# KiCad board beat_sequencer.kicad_pcb (continued)
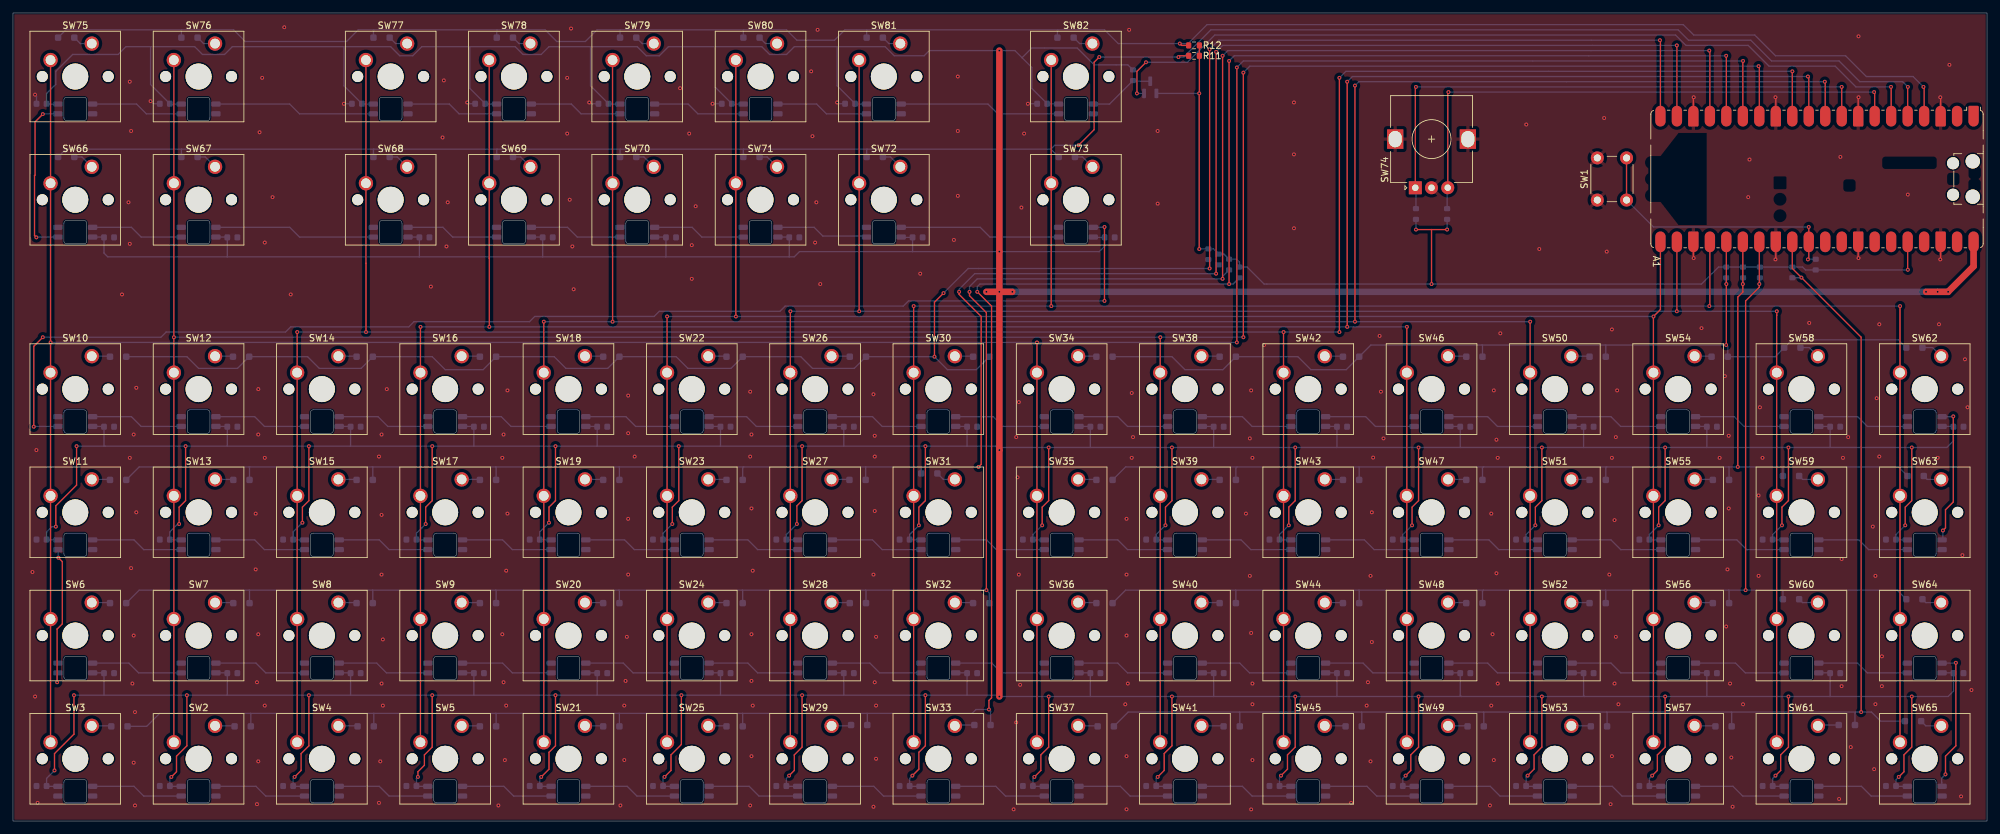
[diagram p0: board, top side]
## Routing (per net, layer and track width the routed paths; a pad name or vN(x,y) marks a point on that pad's centre or on a via; arc(x,y) is an arc through that point) (continued)
R5: length 150.2
  Top w0.2: v1(264,73.4) 264.03,73.43 v1(264.03,82.8) A1.25 264,89.28
  Bottom w0.2: 226.4,73.4 226.45,73.35 D132.2 ; 226.4,73.4 209.25,73.4 D131.2 205.45,69.6 200,69.6 198,71.6 D130.2 186.45,69.6 180.6,69.6 178.6,71.6 D129.2 ; 226.4,73.4 245.4,73.4 ; 245.4,73.4 v1(264,73.4) 264.25,73.15 D134.2 271.55,71.6 D135.2 274.15,74.2 290.55,74.2 D136.2 ; 245.4,73.4 245.45,73.35 D133.2 ; v1(264.03,82.8) 264,82.83 R6.2
R6: length 171.6
  Top w0.2: v1(265.8,54.6) 265.8,80.8 266.57,81.57 v1(266.57,82.8) A1.26
  Bottom w0.2: 226.6,54.6 207.4,54.6 ; 226.6,54.6 226.45,54.45 D140.2 ; 226.6,54.6 245.6,54.6 ; 207.4,54.6 188.6,54.6 ; 207.4,54.6 207.45,54.55 D139.2 ; 188.6,54.6 171.45,54.6 D137.2 ; 188.6,54.6 188.45,54.45 D138.2 ; 264.4,54.6 264.45,54.55 D142.2 ; 264.4,54.6 272.8,54.6 ; 264.4,54.6 245.6,54.6 ; 245.6,54.6 245.45,54.45 D141.2 ; 272.8,54.6 290.55,54.6 D144.2 ; 272.8,54.6 272.75,54.55 D143.2 ; R7.2 266.6,82.83 v1(266.57,82.8)
R7: length 190.9
  Top w0.2: A1.27 v1(269.11,82.8) 269.11,82.31 267,80.2 v1(267,35.6)
  Bottom w0.2: 188.4,35.6 188.45,35.55 D146.2 ; 188.4,35.6 171.45,35.6 D145.2 ; 188.4,35.6 207.4,35.6 ; 245.4,35.6 245.45,35.55 D149.2 ; 245.4,35.6 226.6,35.6 ; 245.4,35.6 264.4,35.6 ; 272.6,35.6 290.35,35.6 D152.2 ; 272.6,35.6 264.4,35.6 ; 272.6,35.6 272.75,35.45 D151.2 ; v1(269.11,82.8) 269.2,82.89 R8.2 ; 207.4,35.6 207.45,35.55 D147.2 ; 207.4,35.6 226.6,35.6 ; 264.4,35.6 264.45,35.55 D150.2 ; 226.6,35.6 226.45,35.45 D148.2
R8: length 214.9
  Top w0.2: v1(284.8,16.8) 284.8,74.6 v1(275.6,83.8) 274.19,85.21 A1.29
  Bottom w0.2: 284,16.8 v1(284.8,16.8) 286.4,16.8 287.8,15.4 D160.2 ; 284,16.8 264.8,16.8 ; 284,16.8 283.85,16.65 D159.2 ; 264.8,16.8 245.6,16.8 ; 264.8,16.8 264.85,16.75 D158.2 ; D157.2 245.65,16.75 245.6,16.8 ; 189,16.8 207.8,16.8 ; 189,16.8 171.85,16.8 D153.2 ; 189,16.8 189.05,16.75 D154.2 ; 207.8,16.8 207.85,16.75 D155.2 ; 207.8,16.8 226.6,16.8 ; 245.6,16.8 226.6,16.8 ; 226.6,16.8 226.65,16.75 D156.2 ; v1(275.6,83.8) 275.58,83.77 R9.2
R9: length 318.1
  Top w0.2: v1(164.2,104.2) 166.6,106.6 166.6,117 v1(167.4,117.8) ; A1.5 291.97,113.17 v1(292,113.2) ; R11.2 179.8,118 v1(179.6,117.8)
  Bottom w0.2: 112.6,103.6 112.55,103.55 D126.2 ; 112.6,103.6 131.6,103.6 ; 112.6,103.6 93.6,103.6 ; 159.95,103.6 131.6,103.6 ; 159.95,103.6 D128.2 ; 159.95,103.6 160.55,104.2 v1(164.2,104.2) ; 131.6,103.6 131.55,103.55 D127.2 ; v1(292,113.2) 291.2,114 284.6,114 281.4,117.2 271,117.2 267.8,120.4 258.2,120.4 256.6,122 184.6,122 180.4,117.8 v1(179.6,117.8) v1(167.4,117.8) ; 26,103.6 8.15,103.6 D121.2 ; 26,103.6 55.6,103.6 ; 26,103.6 25.95,103.55 D122.2 ; 55.6,103.6 55.55,103.55 D123.2 ; 55.6,103.6 74.6,103.6 ; 93.6,103.6 93.55,103.55 D125.2 ; 93.6,103.6 74.6,103.6 ; 74.6,103.6 74.55,103.55 D124.2
R10: length 312.9
  Top w0.2: v1(294.4,113.2) 294.51,113.09 A1.4 ; R12.2 180.08,119.6 v1(179.8,119.88)
  Bottom w0.2: D114.2 25.95,121.95 26,122 ; v1(294.4,113.2) 292.8,114.8 285.6,114.8 282.4,118 271.6,118 268.4,121.2 259,121.2 257.4,122.8 184,122.8 181.08,119.88 v1(179.8,119.88) 170.32,119.88 168.2,122 161,122 ; 131.6,122 128.2,122 126.6,120.4 120.8,120.4 119.2,122 112.6,122 ; 131.6,122 161,122 ; 131.6,122 131.55,121.95 D119.2 ; 93.6,122 93.55,121.95 D117.2 ; 93.6,122 112.6,122 ; 93.6,122 90,122 88.2,120.2 83.8,120.2 82,122 74.6,122 ; D113.2 8.15,122 26,122 ; 112.6,122 112.55,121.95 D118.2 ; 26,122 34,122 35.8,120.2 51.4,120.2 53.2,122 55.6,122 ; 161,122 160.95,121.95 D120.2 ; 55.6,122 55.55,121.95 D115.2 ; 55.6,122 74.6,122 ; 74.6,122 74.55,121.95 D116.2
RENC_A: length 89
  Top w0.2: v1(216.2,113.2) 216.1,113.1 SW74.A ; v1(281.8,113.2) 281.81,113.19 A1.9
  Bottom w0.2: v1(281.8,113.2) v1(216.2,113.2) ; 216.2,94.42 216.2,97.55 SW74.A
RENC_B: length 87.4
  Top w0.2: v1(221.2,112.4) 221.1,112.3 SW74.B ; A1.7 286.89,112.31 v1(286.8,112.4)
  Bottom w0.2: SW74.B 221,97.55 221,94.42 ; v1(286.8,112.4) v1(221.2,112.4)
RST: length 42.6
  Top w0.2: SW1.2 SW1.2 ; v1(276.6,86.6) 276.73,86.73 A1.30 v1(276.73,91.6)
  Bottom w0.2: SW1.2 252.8,91.6 v1(276.73,91.6) ; R1.2 276.62,86.62 v1(276.6,86.6)
Net-(D1-DIN): length 10.4
  Bottom w0.2: 166.42,110.55 168.98,110.55 R10.2 172.7,114.07 Q1.3
Net-(D1-DOUT): length 25
  Bottom w0.2: 161.17,109.05 151.75,109.05 150.25,110.55 136.82,110.55
Net-(D2-DOUT): length 14.4
  Bottom w0.2: 131.57,109.05 125.35,109.05 123.84,110.55 117.82,110.55
Net-(D3-DOUT): length 14.4
  Bottom w0.2: 112.57,109.05 105.55,109.05 104.04,110.55 98.82,110.55
Net-(D4-DOUT): length 14.4
  Bottom w0.2: 93.57,109.05 87.55,109.05 86.04,110.55 79.82,110.55
Net-(D5-DOUT): length 14.4
  Bottom w0.2: 74.57,109.05 68.75,109.05 67.25,110.55 60.82,110.55
Net-(D6-DOUT): length 25
  Bottom w0.2: 55.57,109.05 44.15,109.05 42.65,110.55 31.23,110.55
Net-(D7-DOUT): length 14.4
  Bottom w0.2: 12.23,110.55 19.05,110.55 20.55,109.05 25.98,109.05
Net-(D8-DOUT): length 25.4
  Top w0.2: v1(4.6,109) 3.4,107.8 3.4,99.6 3.32,99.52 3.32,90.28 v1(3.6,90)
  Bottom w0.2: 6.98,90.04 3.65,90.04 v1(3.6,90) ; 6.98,109.05 4.65,109.05 v1(4.6,109)
Net-(D10-DIN): length 14.4
  Bottom w0.2: 12.23,91.55 18.25,91.55 19.76,90.04 25.98,90.04
Net-(D10-DOUT): length 25
  Bottom w0.2: 55.57,90.04 44.16,90.04 42.65,91.55 31.23,91.55
Net-(D11-DOUT): length 14.4
  Bottom w0.2: 74.57,90.04 67.75,90.04 66.25,91.55 60.82,91.55
Net-(D12-DOUT): length 14.4
  Bottom w0.2: 93.57,90.04 86.95,90.04 85.45,91.55 79.82,91.55
Net-(D13-DOUT): length 14.4
  Bottom w0.2: 112.57,90.04 106.16,90.04 104.65,91.55 98.82,91.55
Net-(D14-DOUT): length 14.4
  Bottom w0.2: 117.82,91.55 123.45,91.55 124.8,90.2 131.42,90.2 131.57,90.04
Net-(D15-DOUT): length 25
  Bottom w0.2: 136.82,91.55 149.05,91.55 150.56,90.04 161.17,90.04
Net-(D16-DOUT): length 197.3
  Top w0.2: v1(168.2,91.6) v1(168.2,80.2) ; v1(4.6,74.6) 3.2,73.2 v1(3.2,60.8)
  Bottom w0.2: 6.98,60.84 3.25,60.84 v1(3.2,60.8) ; v1(4.6,74.6) 22.8,74.6 23.6,75.4 42,75.4 42.8,76.2 61,76.2 61.8,77 79.6,77 80.4,77.8 98.8,77.8 99.6,78.6 118.2,78.6 119,79.4 137.2,79.4 138,80.2 v1(168.2,80.2) ; 166.42,91.55 168.15,91.55 v1(168.2,91.6)
Net-(D17-DOUT): length 14.4
  Bottom w0.2: 25.98,60.84 19.76,60.84 18.25,62.35 12.23,62.35
Net-(D18-DOUT): length 14.4
  Bottom w0.2: 31.23,62.35 37.25,62.35 38.76,60.84 44.98,60.84
Net-(D19-DOUT): length 14.4
  Bottom w0.2: 50.23,62.35 56.25,62.35 57.76,60.84 63.98,60.84
Net-(D20-DOUT): length 14.4
  Bottom w0.2: 69.22,62.35 75.25,62.35 76.75,60.84 82.97,60.84
Net-(D21-DOUT): length 14.4
  Bottom w0.2: 88.22,62.35 94.45,62.35 95.95,60.84 101.97,60.84
Net-(D22-DOUT): length 14.4
  Bottom w0.2: 120.97,60.84 114.56,60.84 113.05,62.35 107.22,62.35
Net-(D23-DOUT): length 14.4
  Bottom w0.2: 139.97,60.84 133.95,60.84 132.45,62.35 126.22,62.35
Net-(D24-DOUT): length 14.4
  Bottom w0.2: 158.97,60.84 152.56,60.84 151.05,62.35 145.22,62.35
Net-(D25-DOUT): length 14.4
  Bottom w0.2: 177.97,60.84 171.75,60.84 170.25,62.35 164.22,62.35
Net-(D26-DOUT): length 14.4
  Bottom w0.2: 196.97,60.84 190.95,60.84 189.45,62.35 183.22,62.35
Net-(D27-DOUT): length 14.4
  Bottom w0.2: 215.97,60.84 209.95,60.84 208.45,62.35 202.22,62.35
Net-(D28-DOUT): length 14.4
  Bottom w0.2: 221.22,62.35 227.25,62.35 228.75,60.84 234.97,60.84
Net-(D29-DOUT): length 14.4
  Bottom w0.2: 240.22,62.35 246.25,62.35 247.75,60.84 253.97,60.84
Net-(D30-DOUT): length 14.4
  Bottom w0.2: 259.23,62.35 265.25,62.35 266.75,60.84 272.98,60.84
Net-(D31-DOUT): length 14.4
  Bottom w0.2: 291.98,60.84 285.75,60.84 284.25,62.35 278.23,62.35
Net-(D32-DOUT): length 21.6
  Top w0.2: v1(297.4,44.8) 297.8,45.2 297.8,48 299,49.2 v1(299,62.4)
  Bottom w0.2: 297.23,43.35 297.4,43.53 v1(297.4,44.8) ; 297.23,62.35 298.95,62.35 v1(299,62.4)
Net-(D33-DOUT): length 14.4
  Bottom w0.2: 291.98,41.85 285.95,41.85 284.45,43.35 278.23,43.35
Net-(D34-DIN): length 14.4
  Bottom w0.2: 278.23,24.35 284.25,24.35 285.75,22.84 291.98,22.84
Net-(D34-DOUT): length 22.2
  Top w0.2: v1(299.4,24.4) 299.4,11.6 297.8,10 v1(297.8,7.2)
  Bottom w0.2: v1(299.4,24.4) 299.35,24.35 297.23,24.35 ; 297.23,5.35 297.23,5.97 297.2,6 297.2,6.6 v1(297.8,7.2)
Net-(D35-DOUT): length 14.4
  Bottom w0.2: 259.23,43.35 265.65,43.35 267.15,41.85 272.98,41.85
Net-(D36-DIN): length 14.4
  Bottom w0.2: 272.98,22.84 266.96,22.84 265.45,24.35 259.23,24.35
Net-(D37-DOUT): length 14.4
  Bottom w0.2: 253.97,41.85 247.75,41.85 246.24,43.35 240.22,43.35
Net-(D38-DIN): length 14.4
  Bottom w0.2: 253.97,22.84 247.75,22.84 246.25,24.35 240.22,24.35
Net-(D39-DOUT): length 14.4
  Bottom w0.2: 234.97,41.85 228.95,41.85 227.45,43.35 221.22,43.35
Net-(D40-DIN): length 14.4
  Bottom w0.2: 221.22,24.35 227.25,24.35 228.75,22.84 234.97,22.84
Net-(D41-DOUT): length 14.4
  Bottom w0.2: 202.22,43.35 208.25,43.35 209.75,41.85 215.97,41.85
Net-(D42-DIN): length 14.4
  Bottom w0.2: 215.97,22.84 209.56,22.84 208.05,24.35 202.22,24.35
Net-(D43-DOUT): length 14.4
  Bottom w0.2: 196.97,41.85 190.75,41.85 189.25,43.35 183.22,43.35
Net-(D44-DIN): length 14.4
  Bottom w0.2: 183.22,24.35 189.05,24.35 190.56,22.84 196.97,22.84
Net-(D45-DOUT): length 14.4
  Bottom w0.2: 177.97,41.85 171.75,41.85 170.25,43.35 164.22,43.35
Net-(D46-DIN): length 14.4
  Bottom w0.2: 177.97,22.84 171.75,22.84 170.25,24.35 164.22,24.35
Net-(D47-DOUT): length 14.4
  Bottom w0.2: 145.22,43.35 150.04,43.35 151.55,41.85 158.97,41.85
Net-(D48-DIN): length 14.4
  Bottom w0.2: 158.97,22.84 152.35,22.84 150.85,24.35 145.22,24.35
Net-(D49-DOUT): length 14.4
  Bottom w0.2: 126.22,43.35 132.44,43.35 133.95,41.85 139.97,41.85
Net-(D50-DIN): length 14.4
  Bottom w0.2: 126.22,24.35 132.05,24.35 133.56,22.84 139.97,22.84
Net-(D51-DOUT): length 14.4
  Bottom w0.2: 107.22,43.35 113.25,43.35 114.75,41.85 120.97,41.85
Net-(D52-DIN): length 14.4
  Bottom w0.2: 120.97,22.84 114.75,22.84 113.25,24.35 107.22,24.35
Net-(D53-DOUT): length 14.4
  Bottom w0.2: 88.22,43.35 94.25,43.35 95.75,41.85 101.97,41.85
Net-(D54-DIN): length 14.4
  Bottom w0.2: 88.22,24.35 94.05,24.35 95.56,22.84 101.97,22.84
Net-(D55-DOUT): length 14.4
  Bottom w0.2: 82.97,41.85 76.95,41.85 75.44,43.35 69.22,43.35
Net-(D56-DIN): length 14.4
  Bottom w0.2: 69.22,24.35 75.45,24.35 76.96,22.84 82.97,22.84
Net-(D57-DOUT): length 14.4
  Bottom w0.2: 50.23,43.35 56.45,43.35 57.95,41.85 63.98,41.85
Net-(D58-DIN): length 14.4
  Bottom w0.2: 50.23,24.35 56.05,24.35 57.55,22.84 63.98,22.84
Net-(D59-DOUT): length 14.4
  Bottom w0.2: 44.98,41.85 38.75,41.85 37.24,43.35 31.23,43.35
Net-(D60-DIN): length 14.4
  Bottom w0.2: 31.23,24.35 37.45,24.35 38.96,22.84 44.98,22.84
Net-(D61-DOUT): length 14.4
  Bottom w0.2: 25.98,41.85 20.15,41.85 18.65,43.35 12.23,43.35
Net-(D62-DIN): length 14.4
  Bottom w0.2: 25.98,22.84 19.36,22.84 17.85,24.35 12.23,24.35
Net-(D63-DOUT): length 22.6
  Top w0.2: v1(7,40.6) 7.6,40 7.6,30.4 6.8,29.6 v1(6.8,21.4)
  Bottom w0.2: 6.98,41.85 6.98,40.62 v1(7,40.6) ; v1(6.8,21.4) 6.8,22.67 6.98,22.84
Net-(D65-DIN): length 14.4
  Bottom w0.2: 25.98,3.85 20.15,3.85 18.65,5.35 12.23,5.35
Net-(D66-DIN): length 14.4
  Bottom w0.2: 44.98,3.85 38.95,3.85 37.45,5.35 31.23,5.35
Net-(D67-DIN): length 14.4
  Bottom w0.2: 63.98,3.85 57.95,3.85 56.45,5.35 50.23,5.35
Net-(D68-DIN): length 14.4
  Bottom w0.2: 69.22,5.35 75.65,5.35 77.15,3.85 82.97,3.85
Net-(D69-DIN): length 14.4
  Bottom w0.2: 101.97,3.85 96.15,3.85 94.64,5.35 88.22,5.35
Net-(D70-DIN): length 14.4
  Bottom w0.2: 120.97,3.85 114.95,3.85 113.44,5.35 107.22,5.35
Net-(D71-DIN): length 14.4
  Bottom w0.2: 126.22,5.35 132.64,5.35 134.15,3.85 139.97,3.85
Net-(D72-DIN): length 14.4
  Bottom w0.2: 158.97,3.85 152.95,3.85 151.44,5.35 145.22,5.35
Net-(D73-DIN): length 14.4
  Bottom w0.2: 164.22,5.35 170.64,5.35 172.15,3.85 177.97,3.85
Net-(D74-DIN): length 14.4
  Bottom w0.2: 183.22,5.35 189.44,5.35 190.95,3.85 196.97,3.85
Net-(D75-DIN): length 14.4
  Bottom w0.2: 202.22,5.35 208.64,5.35 210.15,3.85 215.97,3.85
Net-(D76-DIN): length 14.4
  Bottom w0.2: 234.97,3.85 229.15,3.85 227.65,5.35 221.22,5.35
Net-(D77-DIN): length 14.4
  Bottom w0.2: 240.22,5.35 246.45,5.35 247.95,3.85 253.97,3.85
Net-(D78-DIN): length 14.4
  Bottom w0.2: 259.23,5.35 265.05,5.35 266.55,3.85 272.98,3.85
Net-(D79-DIN): length 14.4
  Bottom w0.2: 278.23,5.35 284.85,5.35 286.35,3.85 291.98,3.85
Net-(D81-K): length 2.8
  Bottom w0.2: SW10.1 14.87,71.68 D81.1
Net-(D82-K): length 2.8
  Bottom w0.2: SW12.1 33.82,71.68 D82.1
Net-(D83-K): length 2.8
  Bottom w0.2: SW14.1 52.87,71.68 D83.1
Net-(D84-K): length 2.8
  Bottom w0.2: D84.1 71.87,71.68 SW16.1
Net-(D85-K): length 2.8
  Bottom w0.2: SW18.1 90.87,71.68 D85.1
Net-(D86-K): length 2.8
  Bottom w0.2: SW22.1 109.87,71.68 D86.1
Net-(D87-K): length 2.8
  Bottom w0.2: SW26.1 128.87,71.68 D87.1
Net-(D88-K): length 2.8
  Bottom w0.2: SW30.1 147.87,71.68 D88.1
Net-(D89-K): length 2.8
  Bottom w0.2: SW11.1 14.87,52.68 D89.1
Net-(D90-K): length 2.8
  Bottom w0.2: SW13.1 33.87,52.68 D90.1
Net-(D91-K): length 2.8
  Bottom w0.2: SW15.1 52.87,52.68 D91.1
Net-(D92-K): length 2.8
  Bottom w0.2: SW17.1 71.87,52.68 D92.1
Net-(D93-K): length 2.8
  Bottom w0.2: SW19.1 90.87,52.68 D93.1
Net-(D94-K): length 2.9
  Bottom w0.2: 107.08,52.68 SW23.1 109.87,52.68 D94.1
Net-(D95-K): length 2.8
  Bottom w0.2: D95.1 128.82,52.68 SW27.1
Net-(D96-K): length 3.1
  Bottom w0.2: SW31.1 143.37,52.68 D96.1
Net-(D97-K): length 2.8
  Bottom w0.2: D97.1 14.87,33.68 SW6.1
Net-(D98-K): length 2.8
  Bottom w0.2: SW7.1 33.87,33.68 D98.1
Net-(D99-K): length 2.8
  Bottom w0.2: D99.1 52.87,33.68 SW8.1
Net-(D100-K): length 2.8
  Bottom w0.2: D100.1 71.87,33.68 SW9.1
Net-(D101-K): length 2.8
  Bottom w0.2: D101.1 90.87,33.68 SW20.1
Net-(D102-K): length 2.8
  Bottom w0.2: D102.1 109.87,33.68 SW24.1
Net-(D103-K): length 2.8
  Bottom w0.2: D103.1 128.87,33.68 SW28.1
Net-(D104-K): length 2.8
  Bottom w0.2: D104.1 147.87,33.68 SW32.1
Net-(D105-K): length 3
  Bottom w0.2: D105.1 15.07,14.68 SW3.1
Net-(D106-K): length 3
  Bottom w0.2: SW2.1 34.07,14.68 D106.1
Net-(D107-K): length 3
  Bottom w0.2: D107.1 53.02,14.68 SW4.1
Net-(D108-K): length 2.8
  Bottom w0.2: D108.1 71.87,14.68 SW5.1
Net-(D109-K): length 2.8
  Bottom w0.2: D109.1 90.87,14.68 SW21.1
Net-(D110-K): length 2.8
  Bottom w0.2: SW25.1 109.87,14.68 D110.1
Net-(D111-K): length 3.1
  Bottom w0.2: SW29.1 129.03,14.68 D111.1
Net-(D112-K): length 3.1
  Bottom w0.2: SW33.1 145.26,14.8 D112.1
Net-(D113-K): length 3.1
  Bottom w0.2: SW75.1 10.37,119.88 D113.1
Net-(D114-K): length 3.1
  Bottom w0.2: SW76.1 29.37,119.88 D114.1
Net-(D115-K): length 3.1
  Bottom w0.2: SW77.1 58.97,119.88 D115.1
Net-(D116-K): length 3.1
  Bottom w0.2: D116.1 77.97,119.88 SW78.1
Net-(D117-K): length 3.1
  Bottom w0.2: SW79.1 96.97,119.88 D117.1
Net-(D118-K): length 3.1
  Bottom w0.2: D118.1 115.97,119.88 SW80.1
Net-(D119-K): length 3.1
  Bottom w0.2: SW81.1 134.97,119.88 D119.1
Net-(D120-K): length 3.3
  Bottom w0.2: D120.1 164.37,119.88 SW82.1
Net-(D121-K): length 3.3
  Bottom w0.2: SW66.1 10.62,102.4 D121.1
Net-(D122-K): length 3.3
  Bottom w0.2: SW67.1 29.62,102.4 D122.1
Net-(D123-K): length 3.3
  Bottom w0.2: SW68.1 59.22,102.4 D123.1
Net-(D124-K): length 3.3
  Bottom w0.2: D124.1 78.22,102.4 SW69.1
Net-(D125-K): length 3.3
  Bottom w0.2: D125.1 97.22,102.4 SW70.1
Net-(D126-K): length 3.3
  Bottom w0.2: SW71.1 116.22,102.4 D126.1
Net-(D127-K): length 3.3
  Bottom w0.2: SW72.1 135.22,102.4 D127.1
Net-(D128-K): length 3.3
  Bottom w0.2: SW73.1 164.82,102.4 D128.1
Net-(D129-K): length 2.8
  Bottom w0.2: D129.1 166.87,71.68 SW34.1
Net-(D130-K): length 2.8
  Bottom w0.2: SW38.1 185.87,71.68 D130.1
Net-(D131-K): length 2.8
  Bottom w0.2: SW42.1 204.87,71.68 D131.1
Net-(D132-K): length 2.8
  Bottom w0.2: SW46.1 223.87,71.68 D132.1
Net-(D133-K): length 2.8
  Bottom w0.2: D133.1 242.87,71.68 SW50.1
Net-(D134-K): length 2.6
  Bottom w0.2: D134.1 261.67,71.68 SW54.1
Net-(D135-K): length 3.2
  Bottom w0.2: D135.1 276.82,73 SW58.1
Net-(D136-K): length 3.4
  Bottom w0.2: D136.1 295.82,73 SW62.1
Net-(D137-K): length 2.8
  Bottom w0.2: SW35.1 166.87,52.68 D137.1
Net-(D138-K): length 2.8
  Bottom w0.2: D138.1 185.87,52.68 SW39.1
Net-(D139-K): length 2.8
  Bottom w0.2: D139.1 204.87,52.68 SW43.1
Net-(D140-K): length 2.8
  Bottom w0.2: D140.1 223.87,52.68 SW47.1
Net-(D141-K): length 2.8
  Bottom w0.2: D141.1 242.87,52.68 SW51.1
Net-(D142-K): length 2.8
  Bottom w0.2: SW55.1 261.87,52.68 D142.1
Net-(D143-K): length 3.1
  Bottom w0.2: D143.1 275.77,52.68 SW59.1
Net-(D144-K): length 2.9
  Bottom w0.2: D144.1 294.97,52.68 SW63.1
Net-(D145-K): length 2.8
  Bottom w0.2: SW36.1 166.87,33.68 D145.1
Net-(D146-K): length 2.8
  Bottom w0.2: D146.1 185.87,33.68 SW40.1
Net-(D147-K): length 2.8
  Bottom w0.2: SW44.1 204.87,33.68 D147.1
Net-(D148-K): length 2.8
  Bottom w0.2: D148.1 223.87,33.68 SW48.1
Net-(D149-K): length 2.8
  Bottom w0.2: SW52.1 242.87,33.68 D149.1
Net-(D150-K): length 2.8
  Bottom w0.2: D150.1 261.87,33.68 SW56.1
Net-(D151-K): length 3.1
  Bottom w0.2: D151.1 275.77,33.68 SW60.1
Net-(D152-K): length 3.1
  Bottom w0.2: SW64.1 294.77,33.68 D152.1
Net-(D153-K): length 3
  Bottom w0.2: D153.1 167.07,14.68 SW37.1
Net-(D154-K): length 3.4
  Bottom w0.2: D154.1 186.47,14.68 SW41.1
Net-(D155-K): length 3.2
  Bottom w0.2: D155.1 205.27,14.68 SW45.1
Net-(D156-K): length 3
  Bottom w0.2: D156.1 224.07,14.68 SW49.1
Net-(D157-K): length 3
  Bottom w0.2: SW53.1 243.07,14.68 D157.1
Net-(D158-K): length 3.2
  Bottom w0.2: D158.1 262.27,14.68 SW57.1
Net-(D159-K): length 3.3
  Bottom w0.2: SW61.1 278.26,14.8 D159.1
Net-(D160-K): length 3.4
  Bottom w0.2: D160.1 294.77,14.68 SW65.1

## Copper pours and planes (outline as drawn; the poured copper is in the pictures)
GND on Top, Bottom: 313.8,129.2 -4,130 -12.4,-7.2 323,-12.6
